# Altium PCB HORNET-1-IPG.PcbDoc (part 1 of 8) (continued)
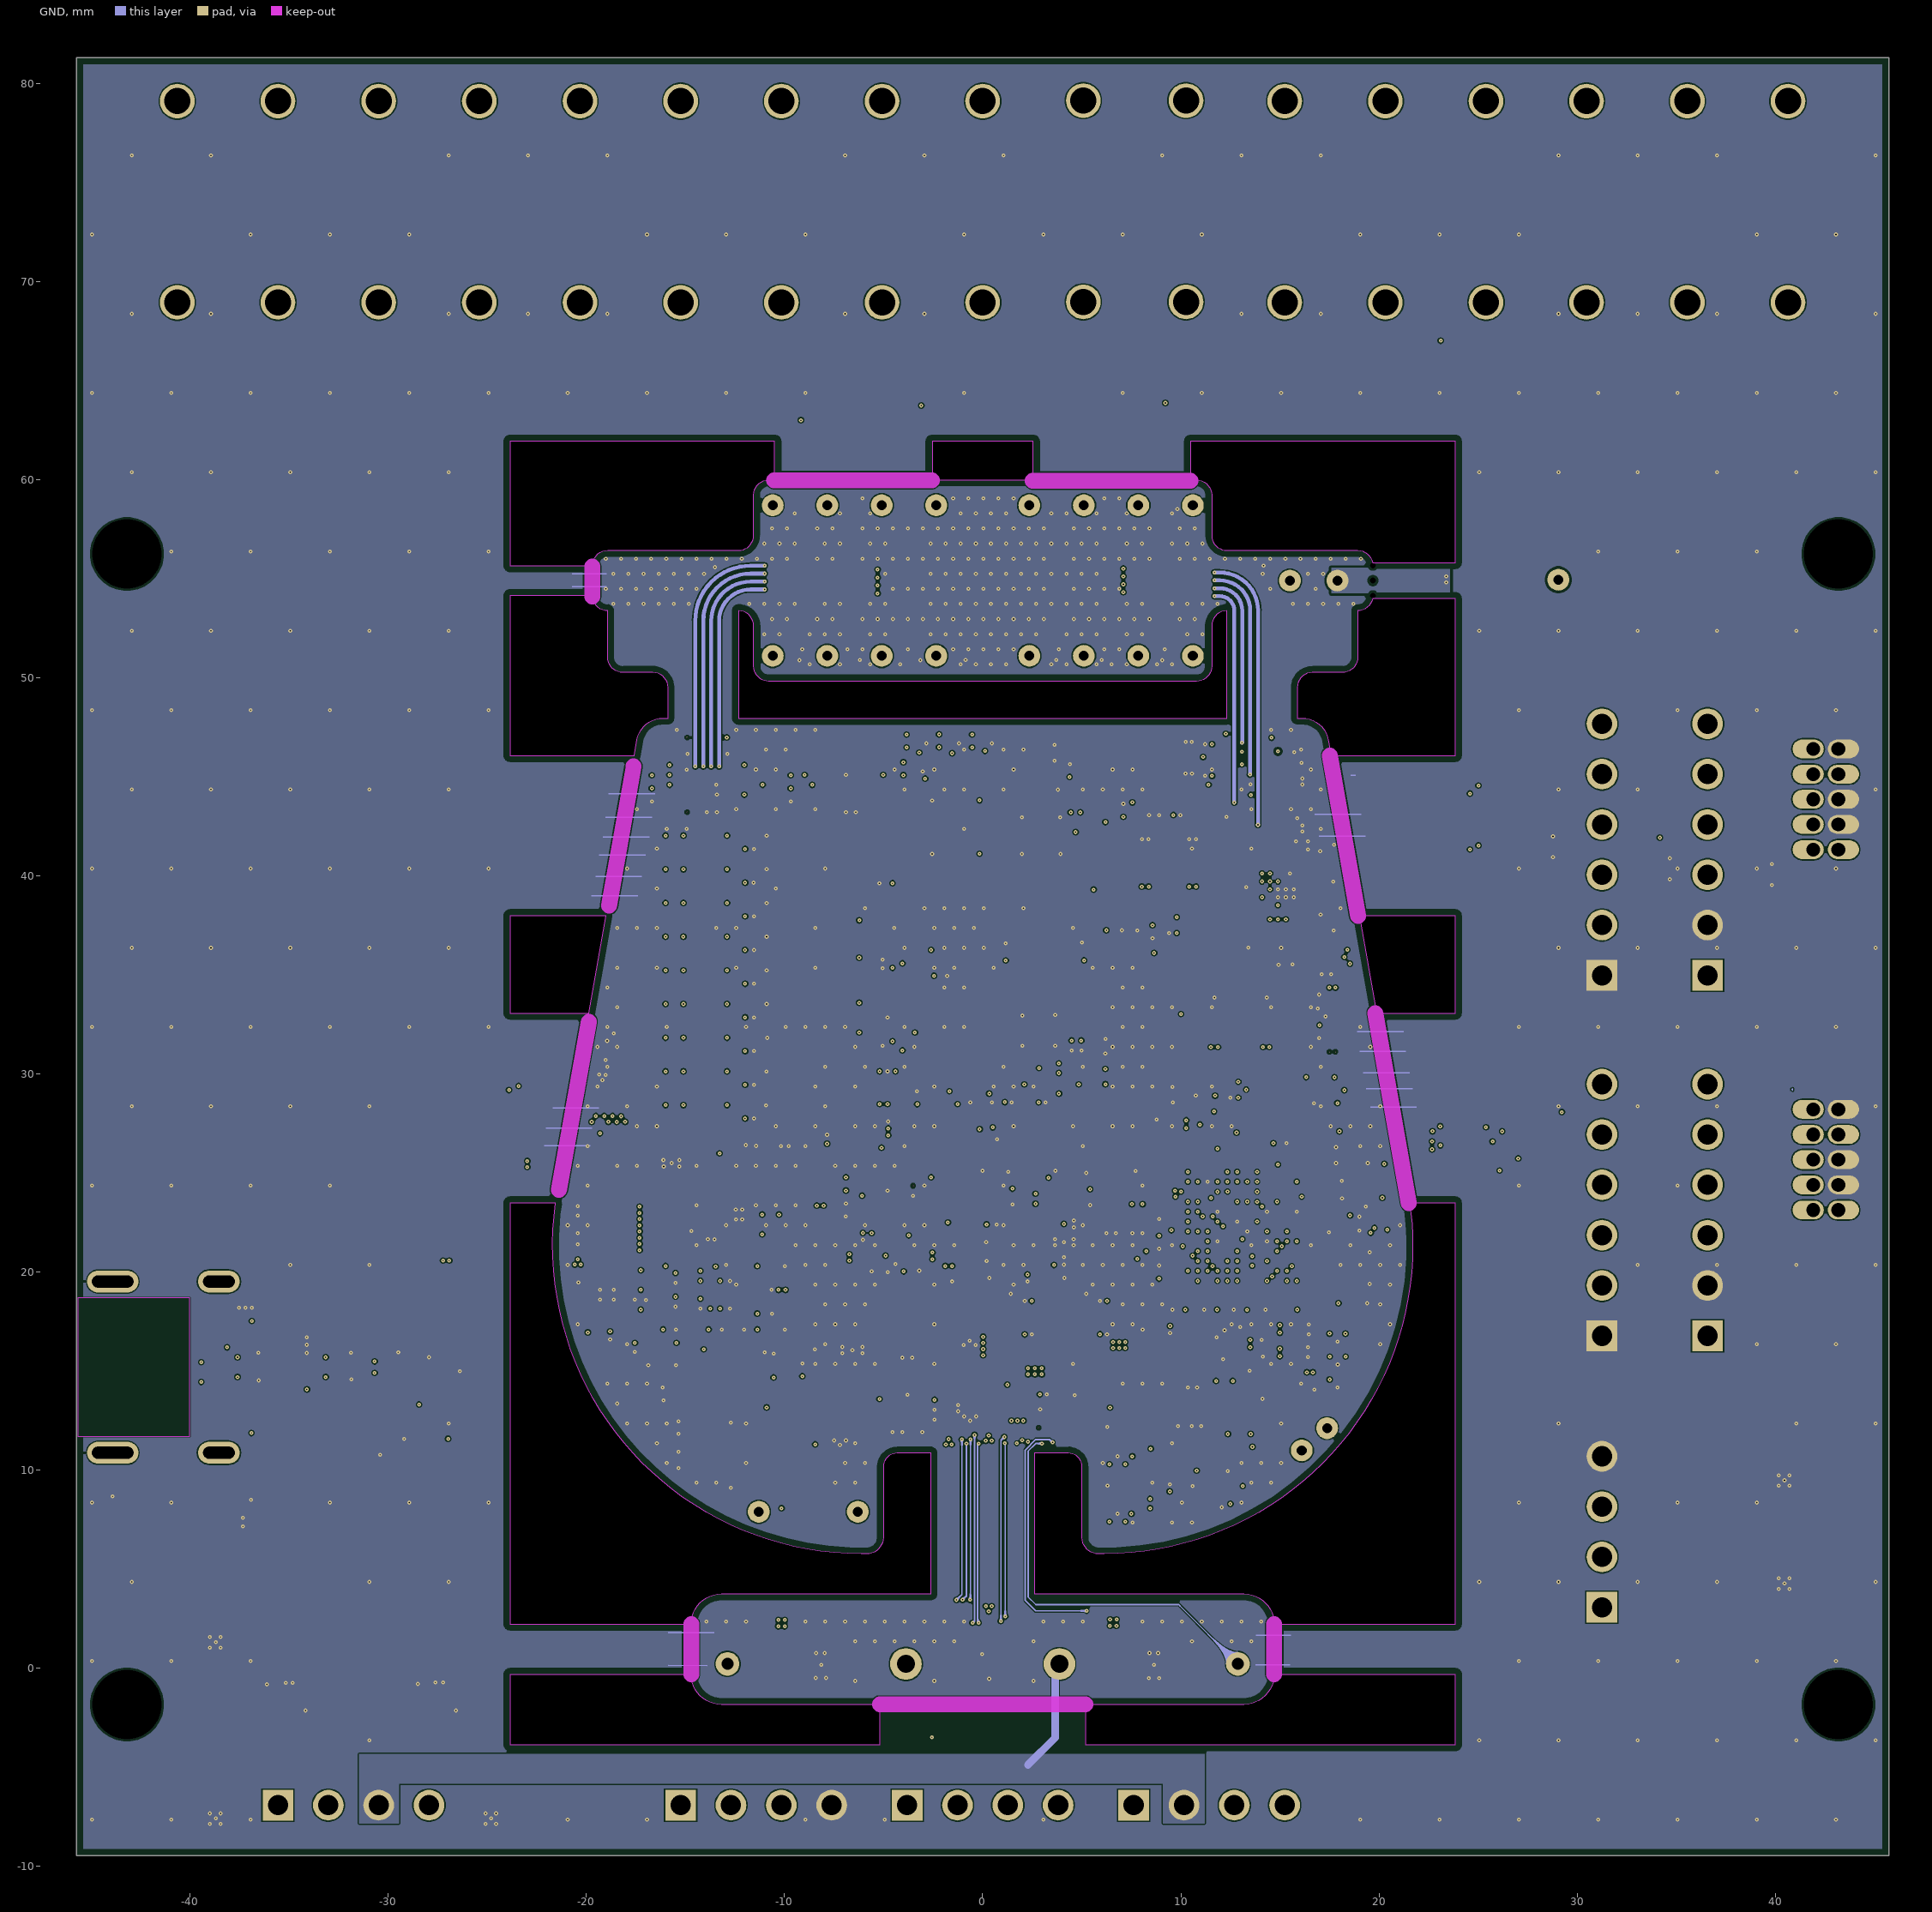
[diagram p4: GND]
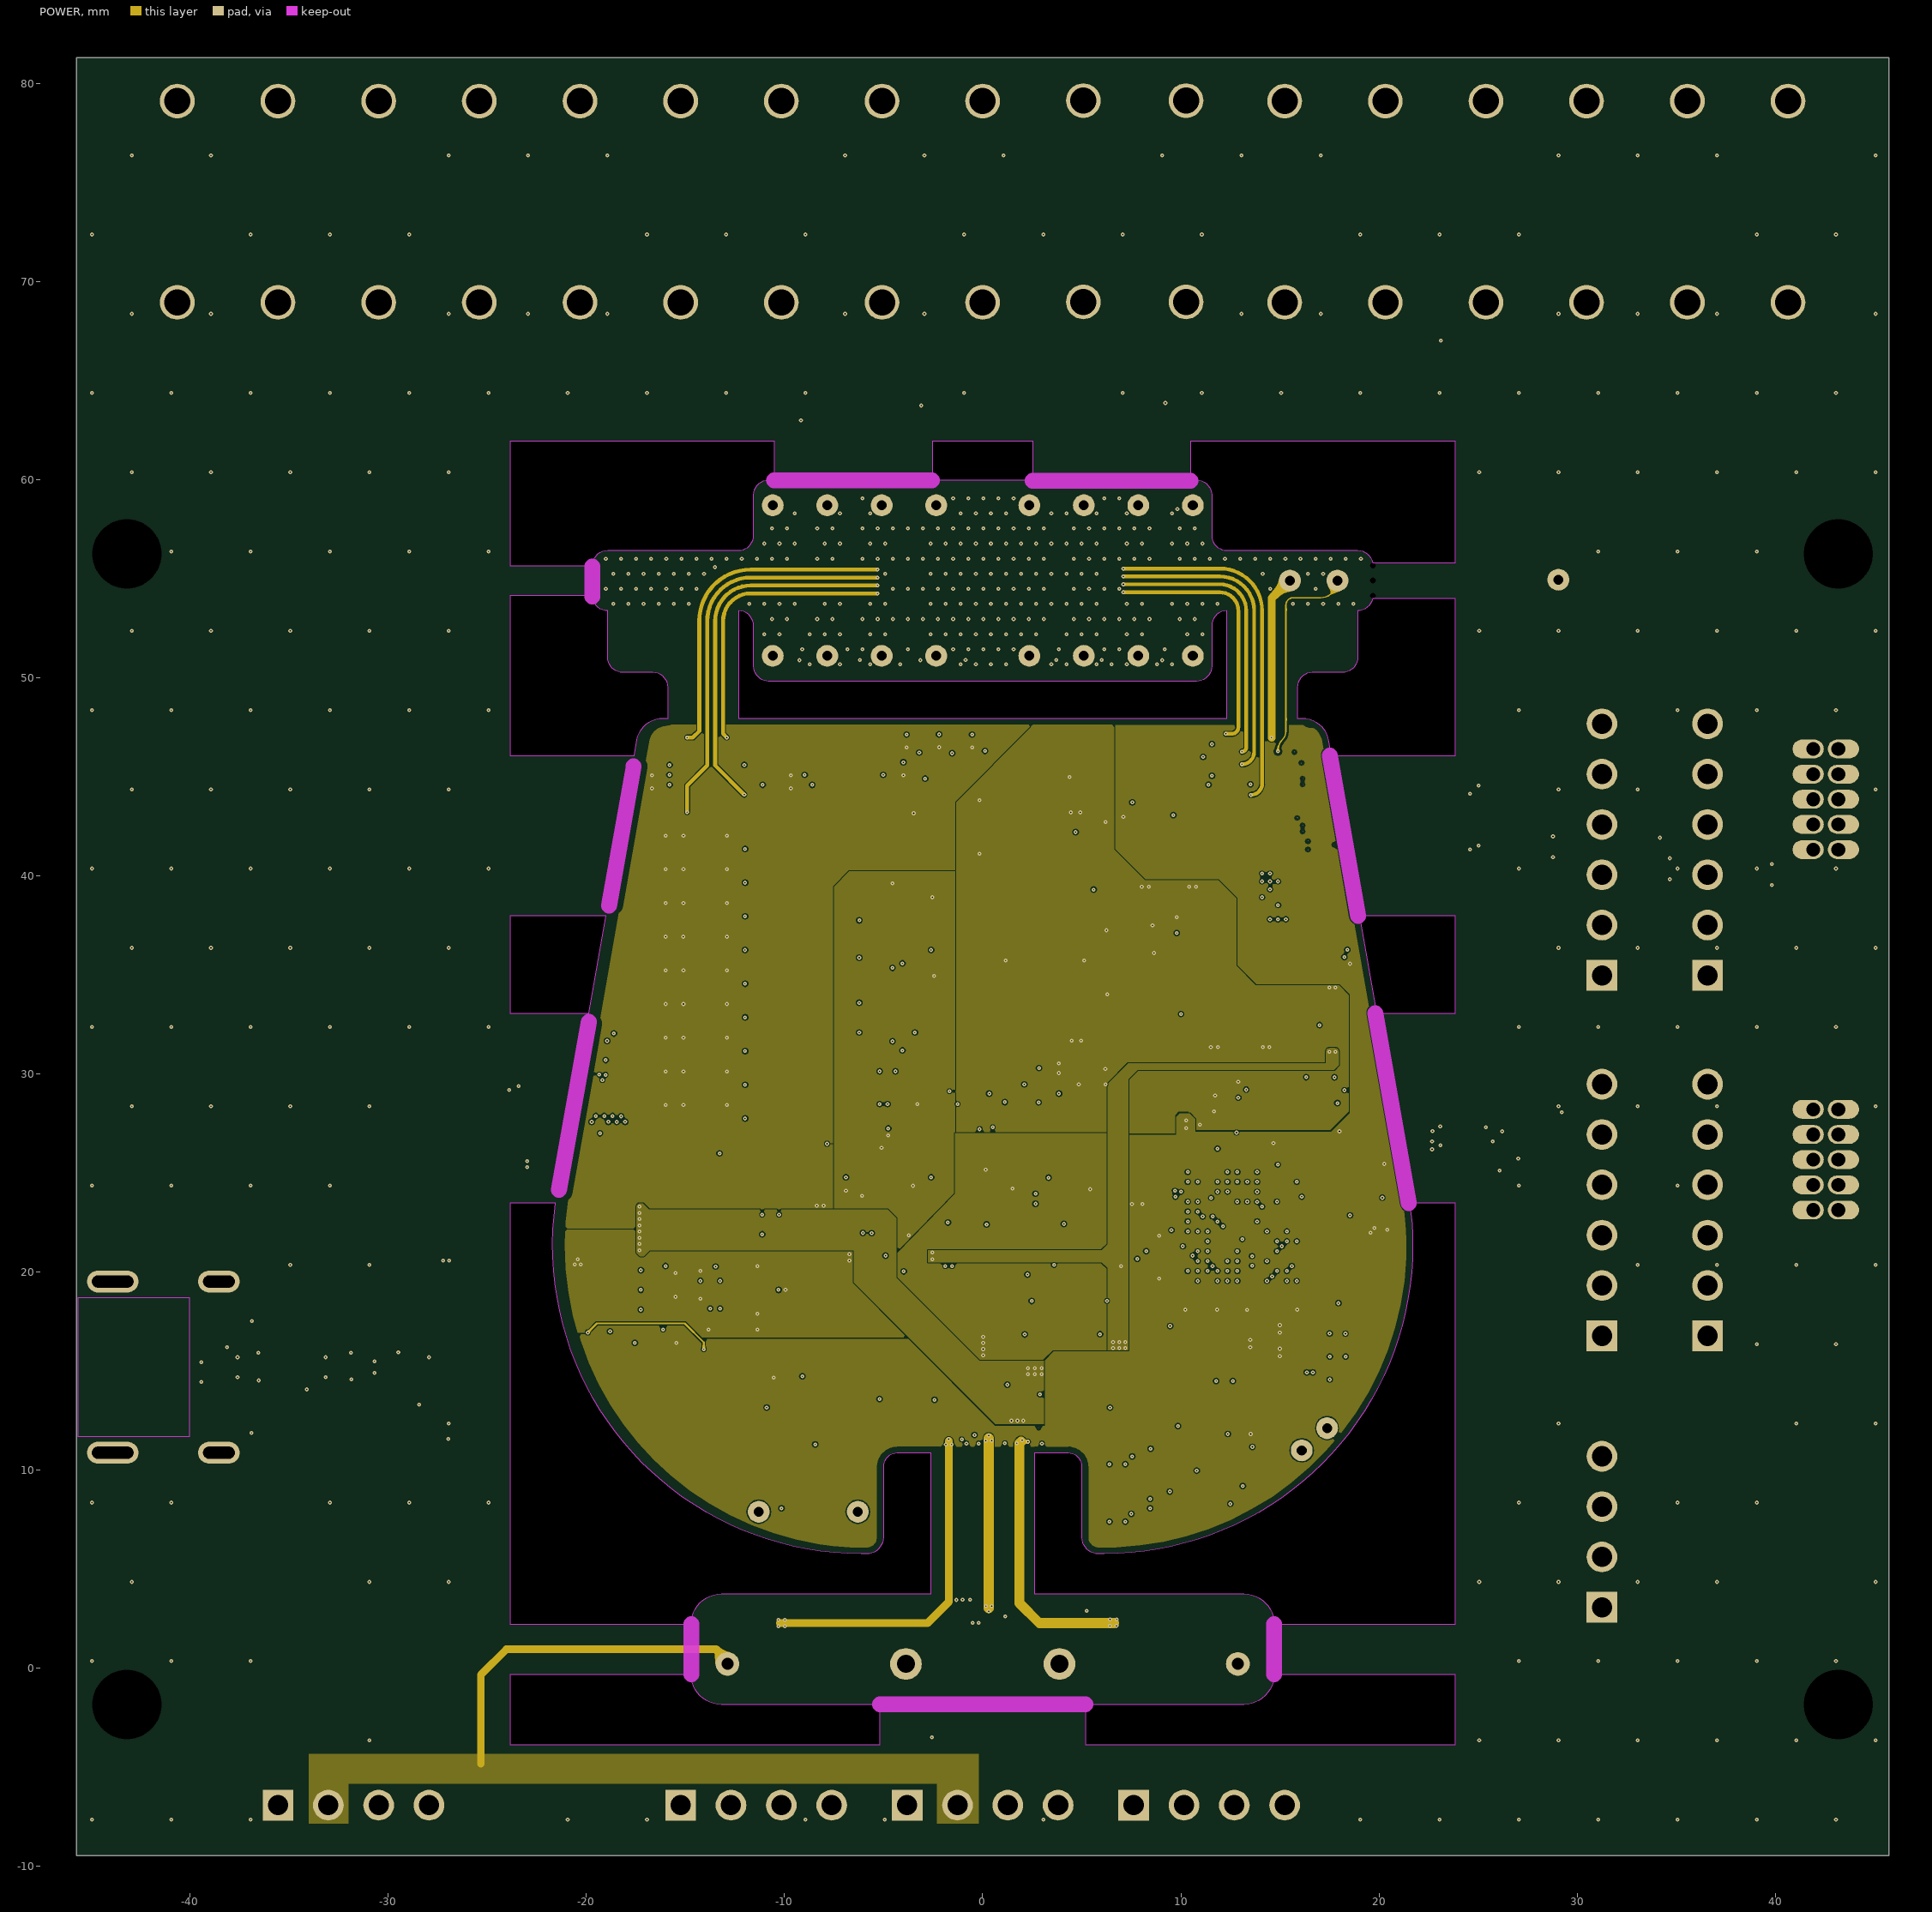
[diagram p5: POWER]
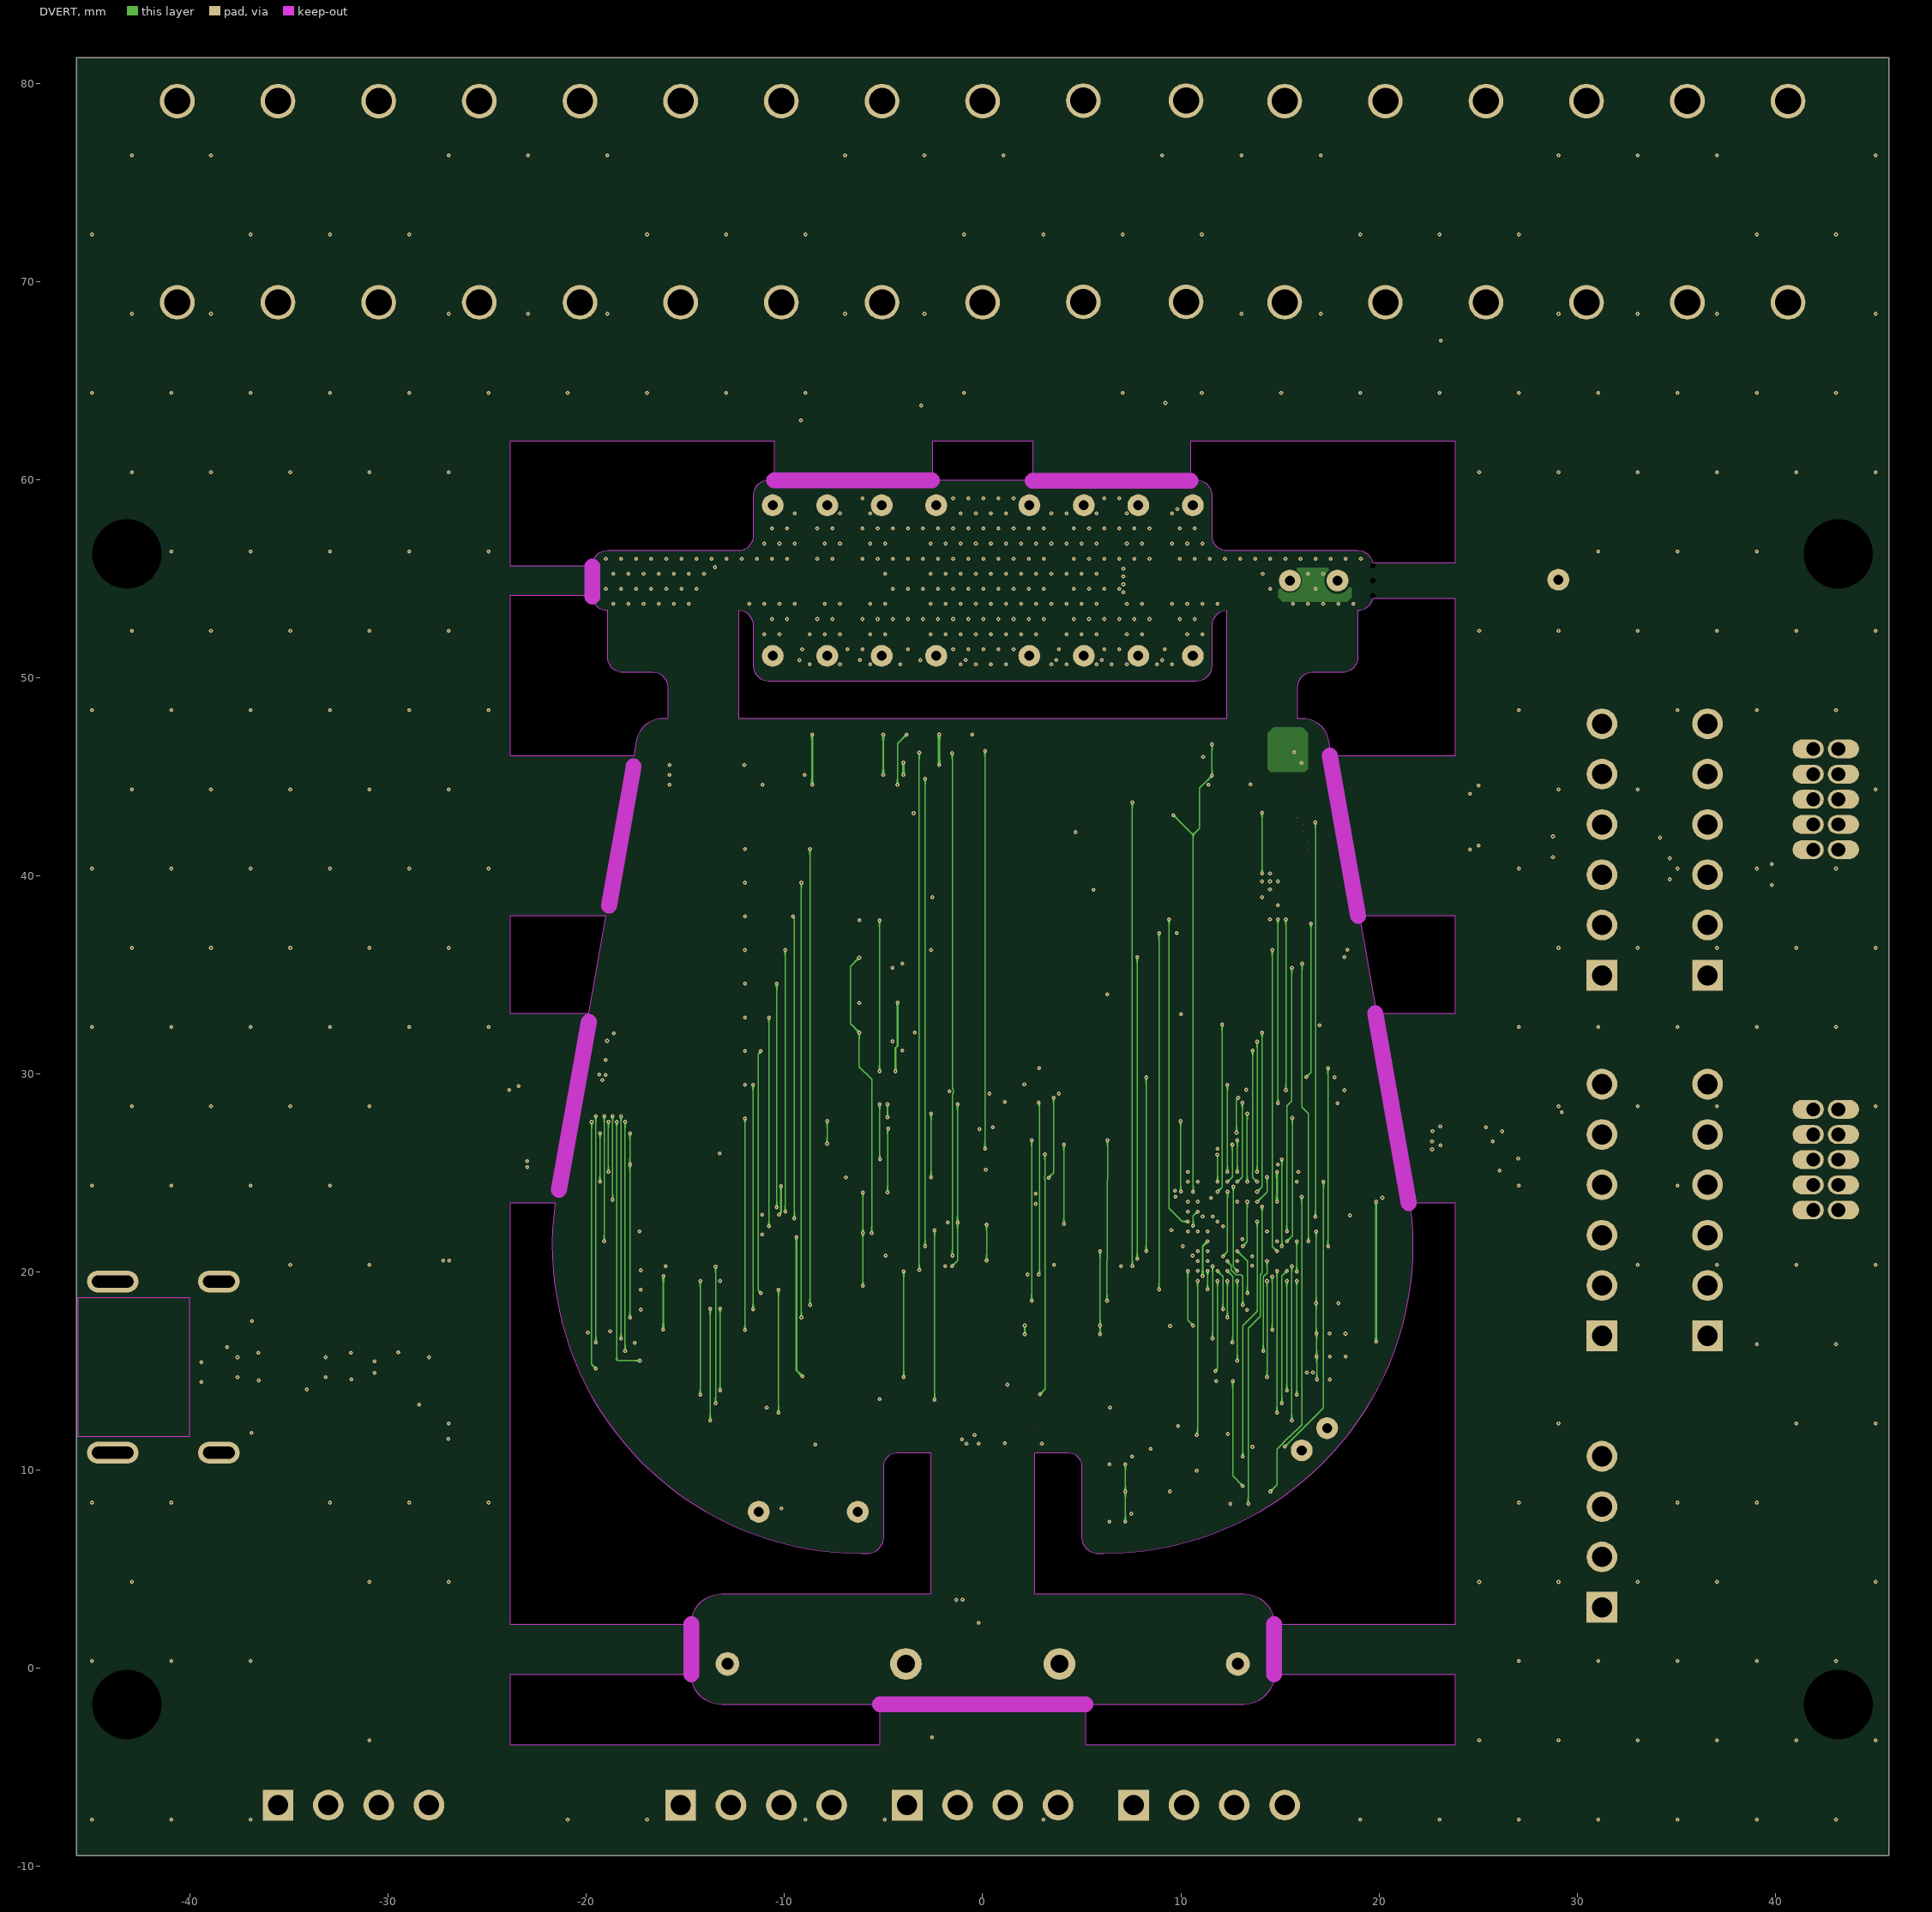
[diagram p6: DVERT]